# Altium PCB BMS029B.PcbDoc (part 3 of 4)
Units mil, origin at the board's own origin, x right, y up, seen from the top; angles counter-clockwise.
Board outline 4950 x 4000 mil, 4 copper layers (Layer 1 - Top Layer, Layer 2 - GND, Layer 3 - Signal, Layer 4 - Bottom Layer), stack 61.4 mil thick; 370 components, 202 nets, 969 pads, 408 vias.
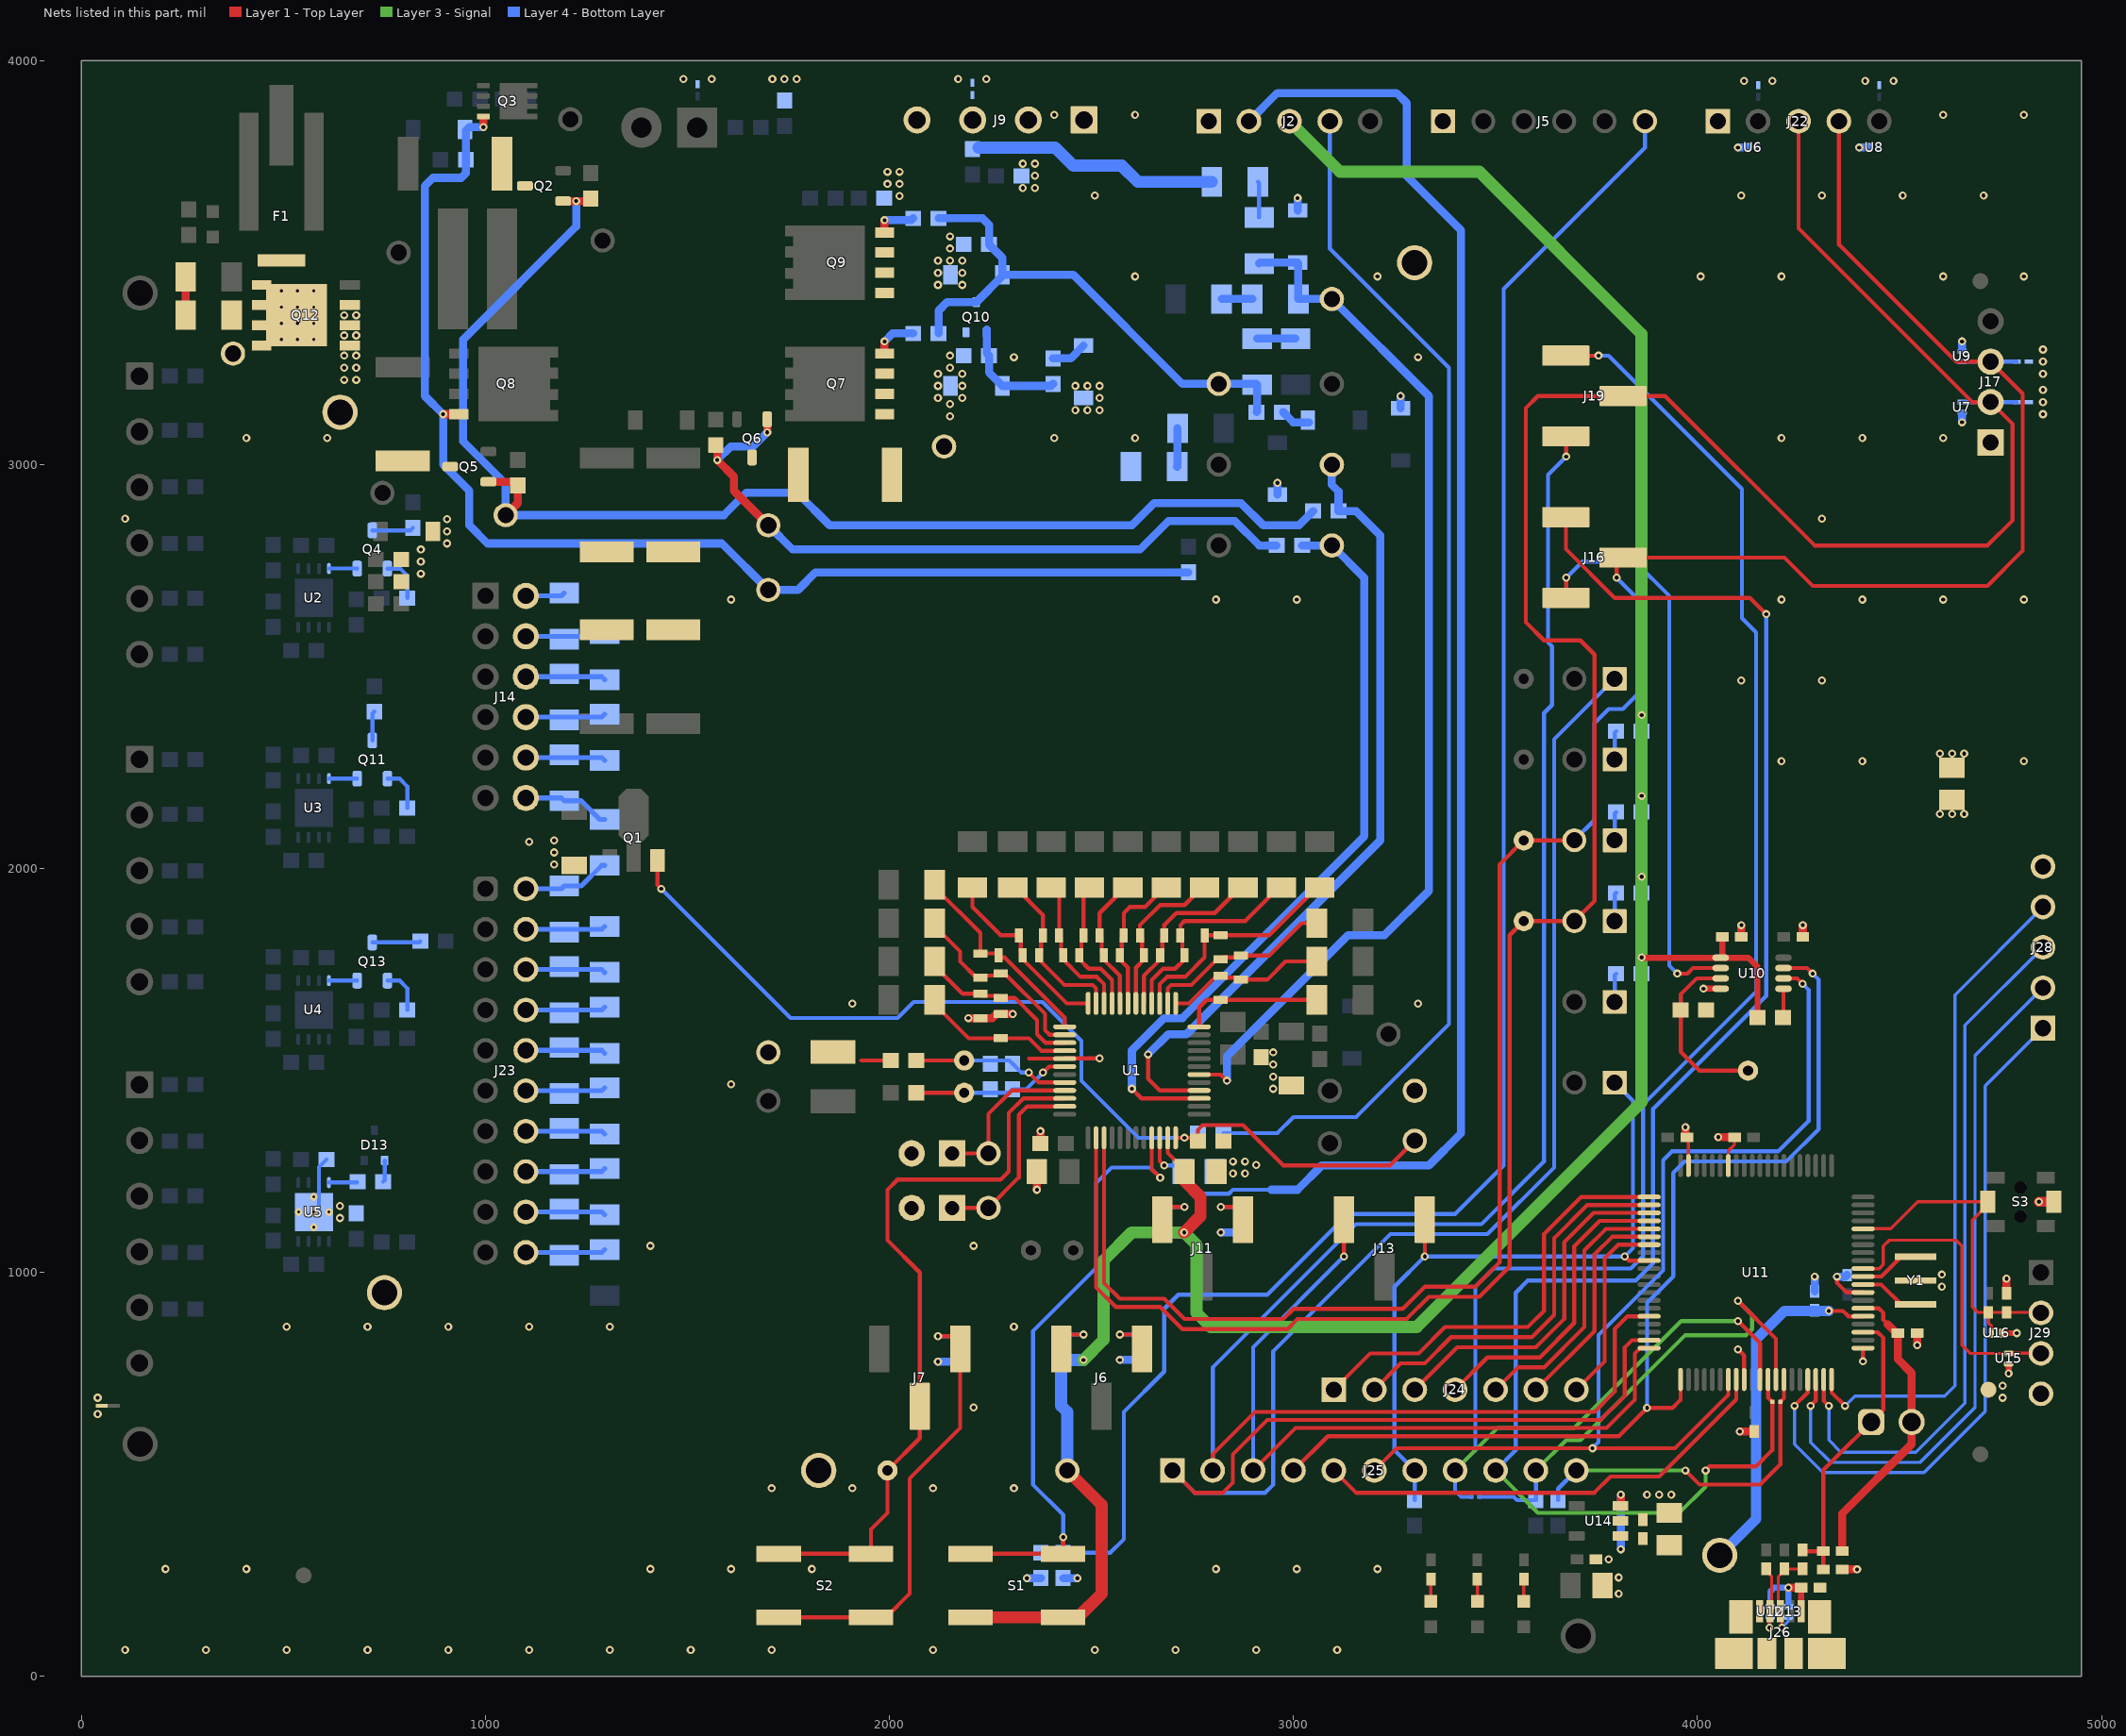
[diagram p5: the nets of this part, all layers, seen from the top]

## Via types
v1: diameter 20, hole 10, Layer 1 - Top Layer to Layer 4 - Bottom Layer, tented both sides, 376 vias
v2: diameter 19.68, hole 7.87, Layer 1 - Top Layer to Layer 4 - Bottom Layer, tented both sides, 32 vias

## Nets (pads, with @x,y where several pads share a name; then routed paths per layer and width w, separated by ;. In a path a pad name is that pad's centre, name@x,y a point inside that pad or via, vN(x,y) a via of type N, cw(c..) or ccw(c..) an arc to the next point about the centre after c; other vN are vias at no path point) (continued)
NetD4_1: D4.1 Q3.4 Q8.4 R50.2 R61.2 TP25.1 | length 3077.7
  Layer 1 - Top Layer w20: v1(895,3125) Q8.4@933.78,3125 ; v1(994.47,3835.53) Q3.4@994.47,3858
  Layer 4 - Bottom Layer w20: v1(994.47,3835.53) 960,3835.53 951.5,3827.03 R50.2@951.5,3755 951.5,3721.5 940,3710 870,3710 850,3690 850,3170 v1(895,3125) 895,3000.35 960,2935.35 960,2850 1005,2805 1585,2805 TP25.1@1700,2690 1773.5,2690 1817.01,2733.5 R61.2@2740,2733.5
NetD5_1: D5.1 Q10.3 R51.2 R55.2 R56.2 R64.2 R65.2 TP28.1 | length 1333.7
  Layer 4 - Bottom Layer w20: R55.2@2121.5,3325 2121.5,3381.5 2142.4,3402.4 Q10.3@2215,3402.4 2279.47,3466.87 D5.1@2279.47,3470 ; R56.2@2121.5,3610 2230,3610 2246.5,3593.5 R51.2@2246.5,3545 2279.47,3512.03 D5.1@2279.47,3470 ; R65.2@2908.5,3130 2910,3131.5 R64.2@2910,3197.91 2907.91,3200 TP28.1@2815,3200 2725,3200 2455,3470 D5.1@2279.47,3470
NetD6_1: D6.1 Q10.1 R52.2 R57.1 | length 283.7
  Layer 4 - Bottom Layer w20: Q10.1@2240.59,3335 2240.59,3275.91 R52.2@2246.5,3270 2246.5,3227.98 D6.1@2279.47,3195 2399.99,3195 R57.1@2405,3200.02
NetD7_1: D7.1 R57.2 | length 88
  Layer 4 - Bottom Layer w20: R57.2@2405,3263.01 2448.54,3263.01 D7.1@2480,3294.47
NetD9_2: D9.2 R65.1 | length 74.4
  Layer 4 - Bottom Layer w20: R65.1@2974.43,3130 2999.43,3105 D9.2@3038.46,3105
NetD13_1: D13.1 R82.2 | length 54.3
  Layer 4 - Bottom Layer w10: R82.2@746.5,1225 750.59,1229.09 D13.1@750.59,1277.6
NetD14_2: D14.2 R120.1 | length 54.9
  Layer 1 - Top Layer w8: D14.2@3340,186.5 R120.1@3340,241.38
NetD15_2: D15.2 R121.1 | length 54.9
  Layer 1 - Top Layer w8: D15.2@3455,186.5 R121.1@3455,241.38
NetD16_2: D16.2 R122.1 | length 54.9
  Layer 1 - Top Layer w8: D16.2@3570,186.5 R122.1@3570,241.38
NetF1_2: F1.2 Q12.5 Q12.6 Q12.7 Q12.8 Q12.9 R48.1 TP24.1
  other v2: 495,3310 535,3310 575,3310 495,3350 535,3350 575,3350 495,3390 535,3390 575,3390 495,3430 535,3430 575,3430
NetJ2_4: J2.4 R15.2 | length 3027.5
  Layer 4 - Bottom Layer w10: R15.2@2826.5,1345 2960,1345 3000,1385 3155,1385 3385,1615 3385,3240 3090,3535 J2.4@3090,3850
NetJ6_1: J6.1 R25.2 | length 112.1
  Layer 1 - Top Layer w10: J6.1@2425.01,841.51 2430,846.5 v1(2480,846.5)
  Layer 4 - Bottom Layer w10: R25.2@2425,846.5 v1(2480,846.5)
NetJ6_3: J6.3 R26.2 | length 112.1
  Layer 1 - Top Layer w10: v1(2570.01,846.5) 2620.01,846.5 J6.3@2625.01,841.51
  Layer 4 - Bottom Layer w10: v1(2570.01,846.5) R26.2@2625.01,846.5
NetJ7_3: J7.3 R29.2 S2.1 S2.2 | length 1128.2
  Layer 1 - Top Layer w10: S2.2@1725.83,146.26 S2.1@1954.17,146.26 1991.26,146.26 2050,205 2050,490 2175,615 J7.3@2175,820.87 ; v1(2120.01,842.37) 2170.01,842.37 J7.3@2175,837.37
  Layer 4 - Bottom Layer w10: v1(2120.01,842.37) R29.2@2175,842.37
NetJ11_1: J11.1 R89.2 | length 138.6
  Layer 1 - Top Layer w10: J11.1@2675,1130.87 2675,1157.37 2680,1162.37 v1(2730,1162.37)
  Layer 4 - Bottom Layer w10: R89.2@2675,1162.37 v1(2730,1162.37)
NetJ11_3: J11.3 R91.2 | length 112.1
  Layer 1 - Top Layer w10: v1(2820.01,1162.37) 2870.01,1162.37 J11.3@2875,1157.37
  Layer 4 - Bottom Layer w10: v1(2820.01,1162.37) R91.2@2875,1162.37
NetJ12_1: J12.1 R92.2 | length 71.5
  Layer 4 - Bottom Layer w10: J12.1@3795,2270 3795,2336.5 R92.2@3798.5,2340
NetJ14_2: J14.2 R87.2 | length 97.9
  Layer 4 - Bottom Layer w12: J14.2@1100,2675 1187.91,2675 R87.2@1195,2682.09
NetJ14_4: J14.4 R87.1 R88.2 | length 197.9
  Layer 4 - Bottom Layer w12: J14.4@1100,2575 1287.91,2575 R88.2@1295,2582.09
NetJ14_6: J14.6 R88.1 R90.2 | length 197.9
  Layer 4 - Bottom Layer w12: J14.6@1100,2475 1287.91,2475 R88.1@1295,2467.91
NetJ14_8: J14.8 R90.1 R93.2 | length 197.9
  Layer 4 - Bottom Layer w12: J14.8@1100,2375 1287.91,2375 R93.2@1295,2382.09
NetJ14_10: J14.10 R93.1 R95.2 | length 197.9
  Layer 4 - Bottom Layer w12: J14.10@1100,2275 1287.91,2275 R93.1@1295,2267.91
NetJ14_12: J14.12 R95.1 R96.2 | length 216.9
  Layer 4 - Bottom Layer w12: J14.12@1100,2175 1187.91,2175 R95.1@1195,2167.91 1237.09,2167.91 1282.91,2122.09 R96.2@1295,2122.09
NetJ15_1: J15.1 R94.2 | length 71.5
  Layer 4 - Bottom Layer w10: J15.1@3795,2070 3795,2136.5 R94.2@3798.5,2140
NetJ18_1: J18.1 R97.2 | length 71.5
  Layer 4 - Bottom Layer w10: J18.1@3795,1870 3795,1936.5 R97.2@3798.5,1940
NetJ20_1: J20.1 R99.2 | length 71.5
  Layer 4 - Bottom Layer w10: J20.1@3795,1670 3795,1736.5 R99.2@3798.5,1740
NetJ23_2: J23.2 R96.1 R98.2 | length 219
  Layer 4 - Bottom Layer w12: J23.2@1100,1950 1187.91,1950 R98.2@1195,1957.09 1237.09,1957.09 1287.91,2007.91 R96.1@1295,2007.91
NetJ23_4: J23.4 R98.1 R100.2 | length 197.9
  Layer 4 - Bottom Layer w12: J23.4@1100,1850 1287.91,1850 R100.2@1295,1857.09
NetJ23_6: J23.6 R100.1 R101.2 | length 197.9
  Layer 4 - Bottom Layer w12: J23.6@1100,1750 1287.91,1750 R100.1@1295,1742.91
NetJ23_8: J23.8 R101.1 R102.2 | length 197.9
  Layer 4 - Bottom Layer w12: J23.8@1100,1650 1287.91,1650 R102.2@1295,1657.09
NetJ23_10: J23.10 R102.1 R103.2 | length 197.9
  Layer 4 - Bottom Layer w12: J23.10@1100,1550 1287.91,1550 R102.1@1295,1542.91
NetJ23_12: J23.12 R103.1 R104.2 | length 197.9
  Layer 4 - Bottom Layer w12: J23.12@1100,1450 1287.91,1450 R104.2@1295,1457.09
NetJ23_14: J23.14 R104.1 R105.2 | length 197.9
  Layer 4 - Bottom Layer w12: J23.14@1100,1350 1287.91,1350 R104.1@1295,1342.91
NetJ23_16: J23.16 R105.1 R106.2 | length 197.9
  Layer 4 - Bottom Layer w12: J23.16@1100,1250 1287.91,1250 R106.2@1295,1257.09
NetJ23_18: J23.18 R106.1 R107.2 | length 197.9
  Layer 4 - Bottom Layer w12: J23.18@1100,1150 1287.91,1150 R106.1@1295,1142.91
NetJ23_20: J23.20 R107.1 R108.2 | length 197.9
  Layer 4 - Bottom Layer w12: J23.20@1100,1050 1287.91,1050 R108.2@1295,1057.09
NetJ24_1: J24.1 U11.21 | length 1089.1
  Layer 1 - Top Layer w10: J24.1@3100,710 3190,800 3310,800 3375,865 3580,865 3620,905 3620,1095 3712.01,1187.01 U11.21@3880.24,1187.01
NetJ24_2: J24.2 U11.22 | length 981
  Layer 1 - Top Layer w10: J24.2@3200,710 3265,775 3325,775 3390,840 3590,840 3645,895 3645,1085 3727.32,1167.32 U11.22@3880.24,1167.32
NetJ24_3: J24.3 U11.23 | length 872.8
  Layer 1 - Top Layer w10: J24.3@3300,710 3405,815 3600,815 3670,885 3670,1075 3742.64,1147.64 U11.23@3880.24,1147.64
NetJ24_4: J24.4 U11.24 | length 764.7
  Layer 1 - Top Layer w10: J24.4@3400,710 3480,790 3610,790 3695,875 3695,1065 3757.95,1127.95 U11.24@3880.24,1127.95
NetJ24_5: J24.5 U11.25 | length 656.5
  Layer 1 - Top Layer w10: J24.5@3500,710 3555,765 3620,765 3720,865 3720,1055 3773.27,1108.27 U11.25@3880.24,1108.27
NetJ24_6: J24.6 U11.26 | length 548.3
  Layer 1 - Top Layer w10: J24.6@3600,710 3745,855 3745,1045 3788.58,1088.58 U11.26@3880.24,1088.58
NetJ24_7: J24.7 U11.27 | length 478.3
  Layer 1 - Top Layer w10: J24.7@3700,710 3770,780 3770,1035 3803.9,1068.9 U11.27@3880.24,1068.9
NetJ26_2: J26.2 R114.1 U12.1 | length 180.7
  Layer 1 - Top Layer w7: R114.1@4170,266.38 4170,261 4184,247 4184,166.4 J26.2@4179.41,161.81 ; v1(4178,120.78) J26.2@4178,162
  Layer 4 - Bottom Layer w7: v1(4178,120.78) 4178,145.2 U12.1@4180,147.2
NetJ26_3: J26.3 R115.1 R116.2 U13.1 | length 232.1
  Layer 1 - Top Layer w7: J26.3@4205,161.81 4200,166.81 4200,247 4215,262 R115.1@4215,266.38 R116.2@4260,266.38 ; v1(4209,120.78) J26.3@4209,162
  Layer 4 - Bottom Layer w7: v1(4209,120.78) 4225,136.78 U13.1@4225,147.2
NetJ26_6: J26.6 J26.7 J26.8 J26.9 J26.10 J26.11 R117.2
NetJ28_1: J28.1 U11.57 | length 1745.5
  Layer 1 - Top Layer w10: v1(4239.96,670) 4272.95,702.99 U11.57@4272.95,735.24
  Layer 4 - Bottom Layer w8: v1(4239.96,670) 4239.96,575.04 4310,505 4560.71,505 4711.88,656.16 4711.88,1461.88 J28.1@4855,1605
NetJ28_2: J28.2 U11.58 | length 1752.8
  Layer 1 - Top Layer w10: v1(4279.96,670) 4292.64,682.68 U11.58@4292.64,735.24
  Layer 4 - Bottom Layer w8: v1(4279.96,670) 4279.96,580.04 4330,530 4550.36,530 4686.87,666.52 4686.87,1536.87 J28.2@4855,1705
NetJ28_3: J28.3 U11.59 | length 1763.4
  Layer 1 - Top Layer w10: U11.59@4312.32,735.24 4312.32,682.68 v1(4325,670)
  Layer 4 - Bottom Layer w8: v1(4325,670) 4325,585 4355,555 4540,555 4661.88,676.88 4661.88,1611.88 J28.3@4855,1805
NetJ28_4: J28.4 U11.60 | length 1646.8
  Layer 1 - Top Layer w10: U11.60@4332.01,735.24 4332.01,702.99 v1(4365,670)
  Layer 4 - Bottom Layer w8: v1(4365,670) 4389.34,694.34 4611.22,694.34 4636.88,720 4636.88,1686.88 J28.4@4855,1905
NetQ2_1: Q2.1 Q5.1 R35.2 R43.2 R62.2 TP26.1 | length 3281.6
  Layer 1 - Top Layer w20: Q5.1@1007.24,2957.6 1070.91,2957.6 R43.2@1080,2948.5 1080,2905 TP26.1@1050,2875 ; Q2.1@1192.24,3652.6 v1(1224.49,3652.6) R35.2@1260,3652.6
  Layer 4 - Bottom Layer w20: v1(1224.49,3652.6) 1224.49,3589.49 945,3310 945,3057.4 1050,2952.4 TP26.1@1050,2875 1590,2875 1645,2930 1772.09,2930 1852.09,2850 2600,2850 2655,2905 2870,2905 2925,2850 3013.5,2850 R62.2@3048.5,2885
NetQ2_3: Q2.3 R33.2
NetQ4_1: Q4.1 R38.2 | length 111.6
  Layer 4 - Bottom Layer w10: Q4.1@757.4,2742.76 788.97,2742.76 806.5,2725.23 R38.2@806.5,2670
NetQ4_2: Q4.2 U2.8 | length 69.6
  Layer 4 - Bottom Layer w10: U2.8@613,2742.83 682.52,2742.83 Q4.2@682.6,2742.76
NetQ4_3: Q4.3 R44.1 | length 102.6
  Layer 4 - Bottom Layer w10: Q4.3@720,2837.24 813.74,2837.24 R44.1@820,2843.5
NetQ5_3: Q5.3 R39.2
NetQ6_1: Q6.1 R42.2 R63.2 TP27.1 | length 1773.6
  Layer 1 - Top Layer w20: R42.2@1570,3048.5 1573.5,3045 v1(1573.5,3011.5) 1615,2970 1615,2935 TP27.1@1700,2850 ; v1(1697.4,3080) Q6.1@1697.4,3112.24
  Layer 4 - Bottom Layer w20: v1(1573.5,3011.5) 1607.01,3045 1662.4,3045 v1(1697.4,3080) ; TP27.1@1700,2850 1760,2790 2620,2790 2690,2860 2855,2860 2915,2800 R63.2@2958.01,2800
NetQ6_3: Q6.3 R40.1
NetQ7_4: Q7.4 R55.1 | length 109
  Layer 1 - Top Layer w20: Q7.4@1987.8,3275 v1(1987.8,3305)
  Layer 4 - Bottom Layer w20: v1(1987.8,3305) 2007.8,3325 R55.1@2058.5,3325
NetQ9_4: Q9.4 R56.1 | length 102.8
  Layer 1 - Top Layer w20: Q9.4@1987.8,3575 v1(1987.8,3605)
  Layer 4 - Bottom Layer w20: v1(1987.8,3605) 2053.5,3605 R56.1@2058.5,3610
NetQ11_1: Q11.1 R58.2 | length 110.6
  Layer 4 - Bottom Layer w10: Q11.1@757.4,2222.76 787.24,2222.76 806.5,2203.5 R58.2@806.5,2150
NetQ11_2: Q11.2 U3.8 | length 69.5
  Layer 4 - Bottom Layer w10: U3.8@613,2222.83 Q11.2@682.52,2222.83
NetQ11_3: Q11.3 R60.1 | length 73.3
  Layer 4 - Bottom Layer w10: Q11.3@720,2317.24 720,2383.5 R60.1@725,2388.5
NetQ13_1: Q13.1 R79.2 | length 110.6
  Layer 4 - Bottom Layer w10: Q13.1@757.4,1722.76 787.24,1722.76 806.5,1703.5 R79.2@806.5,1650
NetQ13_2: Q13.2 U4.8 | length 69.5
  Layer 4 - Bottom Layer w10: U4.8@613,1722.83 Q13.2@682.52,1722.83
NetQ13_3: Q13.3 R80.1 | length 119.6
  Layer 4 - Bottom Layer w10: Q13.3@720,1817.24 835.75,1817.24 R80.1@838.5,1820
NetR5_1: R5.1 R9.2
NetR6_1: R6.1 R10.2
NetR45_1: R45.1 R48.2 | length 95
  Layer 1 - Top Layer w20: R48.2@257.91,3370 R45.1@257.91,3465
NetR64_1: R64.1 R68.2 | length 95
  Layer 4 - Bottom Layer w20: R64.1@2910,3312.09 R68.2@3005,3312.09
NetR70_1: R70.1 R71.2 | length 75.8
  Layer 4 - Bottom Layer w20: R71.2@2822.09,3410 R70.1@2897.91,3410
NetR73_1: R73.1 R74.2 | length 89.1
  Layer 4 - Bottom Layer w10: R74.2@2912.09,3700 2915,3697.09 R73.1@2915,3612.09
NetR76_1: R76.1 R77.2 | length 95.3
  Layer 4 - Bottom Layer w20: R77.2@2712.09,2995 2712.91,2995.83 R76.1@2712.91,3090
NetR82_1: R82.1 U5.8 | length 69.5
  Layer 4 - Bottom Layer w10: U5.8@613,1222.83 R82.1@682.52,1222.83
NetR112_2: R112.2 TP42.1 U10.3 | length 442.9
  Layer 1 - Top Layer w10: U10.3@4057.24,1728.2 3998.2,1728.2 3958.5,1688.5 3958.5,1546.5 4005,1500 TP42.1@4125,1500
NetR113_2: R113.2 U10.5 | length 72.1
  Layer 1 - Top Layer w10: R113.2@4211.5,1631 4212.76,1632.26 U10.5@4212.76,1702.61
NetRT1_1: RT1.1 TP7.1 U1.21 | length 400.5
  Layer 1 - Top Layer w10: RT1.1@2155,1295 TP7.1@2245,1295 2245,1392.75 2303.04,1450.79 U1.21@2433.66,1450.79
NetRT2_1: RT2.1 TP8.1 U1.23 | length 473.6
  Layer 1 - Top Layer w10: RT2.1@2155,1160 TP8.1@2245,1160 2320,1235 2320,1390 2341.42,1411.42 U1.23@2433.66,1411.42
NetU11_69: U11.69 Y1.1 | length 135.8
  Layer 1 - Top Layer w10: U11.69@4409.76,970.47 4454.53,970.47 4504.06,920.94 Y1.1@4525,920.94
NetU11_70: U11.70 Y1.3 | length 135.5
  Layer 1 - Top Layer w10: U11.70@4409.76,990.16 4455.16,990.16 4504.06,1039.06 Y1.3@4525,1039.06
P4_2: J25.6 U10.6 U11.47 | length 2576.4
  Layer 1 - Top Layer w10: J25.6@3200,510 3255,565 v1(3740,565) 3943.93,565 4076.1,697.18 U11.47@4076.1,735.24 ; U10.6@4212.76,1728.2 4246.8,1728.2 v1(4260,1715)
  Layer 4 - Bottom Layer w10: v1(3740,565) 3755,580 3755,845.24 3915,1005.24 3915,1278.15 3936.85,1300 4200,1300 4275,1375 4275,1700 v1(4260,1715)
P4_3: J25.5 U11.48 | length 1163.6
  Layer 1 - Top Layer w10: J25.5@3100,510 3155,455 3744.72,455 3784.72,495 3905,495 4095.79,685.79 U11.48@4095.79,735.24
PACK: D11.1 R70.2 R73.2 TP33.1 U1.42 | length 2639.6
  Layer 1 - Top Layer w10: U1.42@2766.34,1490.16 2819.84,1490.16 v1(2835,1475)
  Layer 4 - Bottom Layer w20: v1(2835,1475) 2835,1535 3135,1835 3225,1835 3335,1945 3335,3170 TP33.1@3095,3410 R70.2@3012.09,3410 3012.09,3498.44 D11.1@3010,3500.53 2917.62,3500.53 R73.2@2915,3497.91
PACK+: C38.1 C42.1 D5.2 D6.2 E2.1 J9.3 J9.4 Q7.1 Q7.2 Q7.3 Q9.1 Q9.2 Q9.3 Q10.2 R40.2 R51.1 R52.1 R74.1 R77.1 TP22.1 | length 613.1
  Layer 4 - Bottom Layer w30: C42.1@2220.02,3785 2410,3785 2455,3740 2575,3740 2615,3700 R74.1@2797.91,3700
  other v1: 2150,3120 2150,3150 2120,3165 2180,3165 2120,3195 2180,3195 2120,3225 2180,3225 2150,3240 2150,3270 2120,3445 2180,3445 2120,3475 2180,3475 2120,3505 2150,3505 2180,3505 2150,3535 2150,3565 2025,3665 1995,3695 2025,3695 1995,3725 2025,3725
PCHG: R62.1 TP31.1 U1.40 | length 1998.2
  Layer 1 - Top Layer w10: v1(2640,1540) 2640,1480 2669.21,1450.79 U1.40@2766.34,1450.79
  Layer 4 - Bottom Layer w20: v1(2640,1540) 2690,1590 2735,1590 3215,2070 3215,2825 3155,2885 R62.1@3111.5,2885 3111.5,2933.5 3095,2950 TP31.1@3095,3000
PDSG: R63.1 TP32.1 U1.39 | length 1892.4
  Layer 1 - Top Layer w10: v1(2600,1455) 2623.9,1431.1 U1.39@2766.34,1431.1
  Layer 4 - Bottom Layer w20: v1(2600,1455) 2600,1550 2680,1630 2725,1630 3175,2080 3175,2720 TP32.1@3095,2800 R63.1@3021.5,2800
PGND: C36.2 C45.2 D7.2 E1.2 E2.2 E3.2 E4.2 E5.2 E6.2 J9.1 J9.2 J17.1 J22.1 NT5.2 R28.1 R30.1 TP36.1 U6.2 U7.2 U8.2 U9.2 | length 153.5
  Layer 1 - Top Layer w10: 1930,1525 R28.1@2003.5,1525
  Layer 4 - Bottom Layer w20: v1(4100,3785) U6.2@4120,3785 ; v1(4400,3785) U8.2@4420,3785 ; v1(4655,3105) U7.2@4655,3125 ; U9.2@4655,3285 v1(4655,3305)
  other v1: 1908,1666 4808,2266 4600,2285 4630,2285 4660,2285 4608,2666 4808,2666 2408,3066 2608,3066 4608,3066 4855,3125 2460,3135 2490,3135 2520,3135 4855,3155 2520,3165 4855,3185 2460,3195 2490,3195 2520,3195 4855,3225 4855,3255 2308,3266 4855,3285 2608,3466 4008,3466 4208,3466 4608,3466 4808,3466 2508,3666 4108,3666 4308,3666 4508,3666 4708,3666 2330,3685 2360,3685 2360,3715 2330,3745 2360,3745 2408,3866 2608,3866 4608,3866 4808,3866 4115,3950 4185,3950 4415,3950 4485,3950 1490,3955 1560,3955 1710,3955 1740,3955 1770,3955 2170,3955 2240,3955
PUR: J27.1 R116.1 R118.2 R119.1 U11.63 | length 738.6
  Layer 1 - Top Layer w10: R116.1@4263.62,310 R119.1@4311.38,310 ; R118.2@4311.38,265 R119.1@4311.38,310 ; U11.63@4409.76,852.36 4445.79,852.36 4460,838.15 4460,660 4311.38,511.38 R119.1@4311.38,310
QGND: C58.1 C59.1 C60.2 C61.2 C62.2 C63.2 C64.2 C65.2 C66.2 C67.2 C68.2 C69.2 C70.2 J26.5 J28.5 J29.4 NT5.1 R112.1 R117.1 R118.1 S3.1 TP45.1 U10.4 U11.14 U11.19 U11.49 U11.61 U11.68 U12.2 U13.2 U14.2 U15.2 U16.2 Y1.2 | length 1025.6
  Layer 1 - Top Layer w8: C61.2@3973.62,1335 3977.68,1330.94 U11.19@3977.68,1264.76 ; U11.14@4076.1,1264.76 4076.1,1301.1 4091.38,1316.38 C69.2@4091.38,1335
  Layer 1 - Top Layer w10: v1(4100,810) 4115.47,794.53 U11.49@4115.47,735.24 ; v1(4345,990) 4345,975 4369.21,950.79 U11.68@4409.76,950.79 ; v1(4409.76,780) U11.61@4409.76,812.99
  Layer 1 - Top Layer w15: v1(4015,1702.61) U10.4@4057.24,1702.61 ; J26.5@4256.18,161.81 4256.18,219.8 R117.1@4256.38,220 ; U16.2@4759.69,850 v1(4790,850) ; v1(4770,750) U15.2@4770,770
  Layer 1 - Top Layer w20: v1(3970,1360) 3970,1338.62 C61.2@3973.62,1335 ; v1(4051.38,1335) C69.2@4091.38,1335 ; v1(4105,606.38) C68.2@4140,606.38 ; C58.1@4108.62,1831 v1(4108.62,1860) ; v1(4225,220) R117.1@4256.38,220 ; C59.1@4260.62,1831 v1(4260.62,1860) ; R118.1@4358.62,265 v1(4395,265) ; v1(4543.62,820) C60.2@4543.62,850 ; C70.2@4765,948.62 v1(4765,985)
  Layer 1 - Top Layer w25: v1(4845,1175) S3.1@4881.69,1175
  Layer 4 - Bottom Layer w15: U12.2@4180,175 4180,210 4190,220 v1(4225,220) U13.2@4225,175
  Layer 4 - Bottom Layer w20: C66.2@4290,953.62 v1(4290,990) ; v1(4345,990) 4366.38,990 C67.2@4370,993.62
  other v1: 2708,66 2908,66 3108,66 3805,205 3805,245 2808,266 3008,266 3208,266 3780,290 3875,450 3905,450 3935,450 4755,690 4755,720 4605,965 4605,995 4600,2135 4630,2135 4660,2135 4208,2266 4408,2266 4108,2466 4308,2466 4208,2666 4408,2666 4308,2866 4208,3066 4408,3066
REG1: C12.2 C58.2 J2.3 R25.1 R89.1 R92.1 R94.1 R97.1 R99.1 R113.1 S1.3 S1.4 TP6.1 U1.35 U10.1 | length 7043.7
  Layer 1 - Top Layer w10: U1.35@2688.58,1333.66 2688.58,1296.42 2730.55,1254.45 C12.2@2730.55,1226.45 ; v1(3861.5,1780) v1@3862.11,1779.39 ; U10.1@4057.24,1779.39 U10.1@4061.38,1783.52
  Layer 1 - Top Layer w15: v1@3862.11,1779.39 U10.1@4057.24,1779.39 4125.61,1779.39 4148.5,1756.5 R113.1@4148.5,1631 ; U10.1@4061.38,1783.52 C58.2@4061.38,1831
  Layer 1 - Top Layer w30: S1.3@2200.83,146.26 S1.4@2429.17,146.26 2466.26,146.26 2525,205 2525,425 TP6.1@2440,510 ; v1(2729.37,1099.37) 2770,1140 2770,1187 C12.2@2730.55,1226.45
  Layer 3 - Signal w30: v1(2480,783.51) 2530,833.51 2530,1030 2599.37,1099.37 v1(2729.37,1099.37) 2760,1068.75 2760,900 2795,865 3305,865 3861.5,1421.5 v1(3861.5,1780) v1(3861.5,1980) v1(3861.5,2180) v1(3861.5,2380) 3861.5,3323.5 3460,3725 3115,3725 J2.3@2990,3850
  Layer 4 - Bottom Layer w30: TP6.1@2440,510 2440,655 2425.01,669.99 R25.1@2425,783.5 v1(2480,783.51) ; R89.1@2675,1099.37 v1(2729.37,1099.37) ; R99.1@3861.5,1740 v1(3861.5,1780) ; R97.1@3861.5,1940 v1(3861.5,1980) ; R94.1@3861.5,2140 v1(3861.5,2180) ; R92.1@3861.5,2340 v1(3861.5,2380)
REG2: C15.2 J2.2 U1.34 | length 3946.4
  Layer 1 - Top Layer w10: U1.34@2668.9,1333.66 2668.9,1276.1 v1(2680,1265)
  Layer 4 - Bottom Layer w10: v1(2680,1265) 2720,1265 2720,1245 2770,1195 2840,1195 2850,1205 2945,1205
  Layer 4 - Bottom Layer w20: J2.2@2890,3850 2960,3920 3255,3920 3280,3895 3280,3715 3415,3580 3415,1345 3335,1265 3070,1265 3010,1205 2945,1205
REGIN: C13.2 Q1.3 R15.1 TP5.1 U1.36 | length 2455.6
  Layer 1 - Top Layer w10: Q1.3@1430.51,2025 Q1.3@1425.71,2020.2 1425.71,1959.29 v1(1435,1950) ; U1.36@2708.27,1333.66 v1(2730,1333.66) 2754.84,1333.66 C13.2@2763.5,1325 2763.5,1353.5 2775,1365 2875,1365 2975,1265 3238.74,1265 TP5.1@3300,1326.26
  Layer 4 - Bottom Layer w10: v1(1435,1950) 1755,1630 2020,1630 2060,1670 2378.66,1670 2475,1573.66 2475,1475 2616.34,1333.66 v1(2730,1333.66) 2752.17,1333.66 R15.1@2763.5,1345
RST: C70.1 J29.2 R123.1 S3.2 U11.76 U16.1 | length 840.7
  Layer 1 - Top Layer w8: U11.76@4409.76,1108.27 4478.27,1108.27 4545,1175 S3.2@4718.31,1175 4718.31,1168.31 4680,1130 4680,915 4693.62,901.38 R123.1@4720,901.38 ; U16.1@4727.2,850 4727.2,868.11 4720.31,875 4720.31,901.06 R123.1@4720,901.38 ; J29.2@4848.62,901.38 R123.1@4720,901.38
RST_SHUT: C20.1 J5.6 R20.1 S1.1 S1.2 U1.33 | length 6120.2
  Layer 1 - Top Layer w10: S1.1@2200.83,303.74 S1.2@2429.17,303.74 2430,304.57 v1(2430,345) ; U1.33@2649.21,1333.66 2649.21,1255.79 v1(2670,1235)
  Layer 4 - Bottom Layer w10: R20.1@2375,306.5 C20.1@2430,306.5 ; v1(2670,1235) 2645,1260 2550,1260 2511.42,1221.42 2511.42,1011.42 2355,855 2355,475 2430,400 C20.1@2430,306.5 ; J5.6@3870,3850 3870,3785 3520,3435 3520,1265 3400,1145 3135,1145 2935,945 2715,945 2680,910 2680,755 2580,655 2580,340 2546.5,306.5 C20.1@2430,306.5
SCL: E4.1 J17.2 J18.2 J19.2 J22.3 TP40.1 U1.26 U7.1 | length 6674.7
  Layer 1 - Top Layer w10: U1.26@2511.42,1333.66 2511.42,963.58 2560,915 2670,915 2725,860 2985,860 3010,885 3280,885 3335,940 3460,940 3535,1015 3535,1835 TP40.1@3570,1870 J18.2@3695,1870 3745,1920 3745,2530 3710,2565 3620,2565 3575,2610 3575,3140 3605,3170 3920,3170 4290,2800 4717.91,2800 4780,2862.09 4780,3100.58 J17.2@4725.59,3155 4680,3155 4250,3585 J22.3@4250,3850
  Layer 4 - Bottom Layer w10: U7.1@4655,3155 J17.2@4725.59,3155 E4.1@4790,3155
SCL2: J19.3 J25.8 NT3.1 U11.51 | length 4641.8
  Layer 1 - Top Layer w10: J19.3@3674.13,3270 v1(3755,3270) ; v1(4100,880) 4154.84,825.16 U11.51@4154.84,735.24
  Layer 3 - Signal w10: J25.8@3400,510 3505,615 3695,615 3960,880 v1(4100,880)
  Layer 4 - Bottom Layer w10: NT3.1@3440,445 3415,445 3400,460 J25.8@3400,510 3450,560 3450,965 3495,1010 3835,1010 3865,1040 3865,1415.36 4145,1695.36 4145,2585 4110,2620 4110,2940 3780,3270 v1(3755,3270)
SDA: E6.1 J15.2 J16.2 J17.3 J22.4 TP39.1 U1.27 U9.1 | length 5956
  Layer 1 - Top Layer w10: U1.27@2531.1,1333.66 2531.1,973.9 2570,935 2680,935 2730,885 2975,885 3000,910 3270,910 3325,965 3450,965 3510,1025 3510,2010 TP39.1@3570,2070 J15.2@3695,2070 ; J16.2@3795,2770 4215,2770 4285,2700 4717.91,2700 4805,2787.09 4805,3175.58 J17.3@4725.59,3255 4640,3255 4350,3545 J22.4@4350,3850 ; v1(3800,2720) 3800,2754.13 J16.2@3815.87,2770
  Layer 4 - Bottom Layer w10: J15.2@3695,2070 3745,2120 3745,2360 3780,2395 3815,2395 3855,2435 3855,2665 v1(3800,2720) ; U9.1@4655,3255 J17.3@4725.59,3255 E6.1@4790,3255
SDA2: J16.3 J25.9 NT4.1 U11.52 | length 4191.5
  Layer 1 - Top Layer w10: J16.3@3674.13,2870 3674.13,2790.87 3795,2670 4130,2670 v1(4170,2630) ; v1(4020,510) 4030,520 4145,520 4185,560 NT4.1@4185,680 4174.53,690.47 U11.52@4174.53,735.24
  Layer 3 - Signal w10: J25.9@3500,510 3605,405 3955,405 4020,470 v1(4020,510)
  Layer 4 - Bottom Layer w10: J25.9@3500,510 3550,560 3550,950 3580,980 3847.43,980 3890,1022.57 3890,1405 4170,1685 v1(4170,2630)
SMBC1: J25.10 NT3.2 R110.2 U11.53 | length 1215.3
  Layer 1 - Top Layer w10: v1(4100,930) 4194.21,835.79 U11.53@4194.21,735.24
  Layer 3 - Signal w10: J25.10@3600,510 3675,585 3710,585 3970,845 4120,845 4135,860 4135,895 v1(4100,930)
  Layer 4 - Bottom Layer w10: NT3.2@3460,445 3545,445 3553.5,436.5 R110.2@3600,436.5 J25.10@3600,510
SMBD1: J25.11 NT4.2 R109.2 U11.54 | length 846.3
  Layer 1 - Top Layer w10: v1(3970,510) 4005,475 4155,475 4205,525 NT4.2@4205,680 4213.9,688.9 U11.54@4213.9,735.24
  Layer 3 - Signal w10: J25.11@3700,510 v1(3970,510)
  Layer 4 - Bottom Layer w10: R109.2@3655,436.5 3655,465 J25.11@3700,510
SRN: C27.1 C28.2 R28.2 TP13.1 U1.20 | length 389.8
  Layer 1 - Top Layer w10: R28.2@2066.5,1525 TP13.1@2185,1525 ; v1(2345,1495) 2369.53,1470.47 U1.20@2433.66,1470.47
  Layer 4 - Bottom Layer w10: TP13.1@2185,1525 2296.5,1525 C27.1@2305,1516.5 2326.5,1495 v1(2345,1495)
SRP: C27.2 C28.1 R27.2 TP12.1 U1.18 | length 394
  Layer 1 - Top Layer w10: R27.2@2066.5,1445 TP12.1@2185,1445 ; v1(2380,1495) 2394.84,1509.84 U1.18@2433.66,1509.84
  Layer 4 - Bottom Layer w10: TP12.1@2185,1445 2296.5,1445 C27.2@2305,1453.5 2338.5,1453.5 v1(2380,1495)
TEST: J29.3 U11.71 U15.1 | length 755
  Layer 1 - Top Layer w8: U11.71@4409.76,1009.84 4449.84,1009.84 4460,1020 4460,1065 4475,1080 4640,1080 4655,1065 4655,820 4675.31,799.69 U15.1@4775,799.69 ; U15.1@4775.31,800 J29.3@4850,800
TS2: J7.2 S2.3 S2.4 TP11.1 U1.22 | length 1830.1
  Layer 1 - Top Layer w10: S2.4@1725.83,303.74 S2.3@1954.17,303.74 1954.17,364.17 1995,405 TP11.1@1995,510 2075,590 J7.2@2075,669.14 2075,1000 1995,1080 1995,1205 2020,1230 2275,1230 2295,1250 2295,1395 2331.1,1431.1 U1.22@2433.66,1431.1
uC_HDQ: J13.3 J21.1 J25.7 R111.2 U11.29 | length 1762.6
  Layer 1 - Top Layer w10: v1(3325,1040) J13.3@3325,1130.87 ; v1(3820,1040) 3830.47,1029.53 U11.29@3880.24,1029.53
  Layer 4 - Bottom Layer w10: R111.2@3300,436.5 J25.7@3300,510 3250,560 3250,965 v1(3325,1040) v1(3820,1040) 3840,1060 3840,1425 J21.1@3795,1470
uC_SPI_CLK: J19.1 J25.2 U11.36 | length 4465.3
  Layer 1 - Top Layer w10: J25.2@2800,510 2800,550 2905,655 3745,655 3795,705 3795,860 3826.73,891.73 U11.36@3880.24,891.73 ; J19.1@3674.13,3070 3675,3069.13 v1(3675,3020)
  Layer 4 - Bottom Layer w10: J25.2@2800,510 2800,765 3155,1120 3465,1120 3620,1275 3620,2385 3640,2405 3640,2550 3630,2560 3630,2975 v1(3675,3020)
uC_SPI_CS: J10.1 J25.1 U11.39 | length 4237.6
  Layer 1 - Top Layer w10: J25.1@2700,510 2755,455 2825,455 2850,480 2850,550 2935,635 3760,635 3820,695 3820,815 3837.68,832.68 U11.39@3880.24,832.68
  Layer 4 - Bottom Layer w10: J25.1@2700,510 2755,455 2930,455 2950,475 2950,805.28 3239.72,1095 3480,1095 3645,1260 3645,2320 J10.1@3795,2470
uC_SPI_MISO_A: J16.1 U10.2 | length 1413.4
  Layer 1 - Top Layer w10: J16.1@3674.13,2670 3675,2670.87 v1(3675,2720) ; v1(3950,1740) 3975,1740 3988.8,1753.8 U10.2@4057.24,1753.8
  Layer 4 - Bottom Layer w10: v1(3675,2720) 3715,2760 3845,2760 3930,2675 3930,1760 v1(3950,1740)
uC_SPI_MISO_B: J25.4 U10.7 U11.41 | length 2563.4
  Layer 1 - Top Layer w10: J25.4@3000,510 3085,595 3805,595 v1(3875,665) 3937.99,665 3957.99,685 U11.41@3957.99,735.24 ; U10.7@4212.76,1753.8 4271.2,1753.8 v1(4285,1740)
  Layer 4 - Bottom Layer w10: v1(3875,665) 3875,925.47 3940,990.47 3940,1246.77 3968.23,1275 4220,1275 4300,1355 4300,1725 v1(4285,1740)
uC_SPI_MOSI: J13.1 J25.3 U11.40 | length 1887.2
  Layer 1 - Top Layer w10: J25.3@2900,510 3005,615 3775,615 3845,685 3845,800 3857.99,812.99 U11.40@3880.24,812.99 ; v1(3125,1040) J13.1@3125,1130.87
  Layer 4 - Bottom Layer w10: J25.3@2900,510 2900,815 v1(3125,1040)
VBUS: C62.1 C63.1 C66.1 J26.1 TP43.1 U11.65 U14.1 U14.3 | length 1034.5
  Layer 1 - Top Layer w10: v1(4325,905) 4360,905 4373.27,891.73 U11.65@4409.76,891.73
  Layer 1 - Top Layer w20: U14.3@3809.13,422.4 3810,423.27 v1(3810,450)
  Layer 4 - Bottom Layer w20: v1(3810,315) v1(3810,450)
  Layer 4 - Bottom Layer w25: TP43.1@4055,300 4145,390 4145,835 4215,905 v1(4325,905)
VC0: C23.1 R24.2 U1.16 | length 380
  Layer 1 - Top Layer w10: R24.2@2112.09,1675 2112.09,1664.17 2196.26,1580 C23.1@2275,1580 2345,1580 2375.79,1549.21 U1.16@2433.66,1549.21
VC1: C22.2 C24.1 R23.2 U1.15 | length 424.6
  Layer 1 - Top Layer w10: R23.2@2112.09,1770 2112.09,1759.17 2181.26,1690 C24.1@2225,1690 2230,1685 C22.2@2270,1685 ; C22.2@2275,1680 2310,1680 2365,1625 2365,1590 2386.1,1568.9 U1.15@2433.66,1568.9
VC2: C21.2 C22.1 R22.2 U1.14 | length 479.7
  Layer 1 - Top Layer w10: R22.2@2112.09,1865 2112.09,1857.91 2175,1795 2175,1770 2215,1730 C21.2@2225,1730 2230,1735 C22.1@2270,1735 ; C22.1@2275,1740 2285.31,1740 2385,1640.31 2385,1600 2396.42,1588.58 U1.14@2433.66,1588.58
VC3: C19.2 C21.1 R21.2 U1.13 | length 514.2
  Layer 1 - Top Layer w10: R21.2@2112.09,1960 2112.09,1953.91 2225,1841 C21.1@2225,1790 2265,1790 C19.2@2270,1785 2275,1780 2285,1780 2433.66,1631.34 U1.13@2433.66,1608.27
VC4: C18.2 C19.1 R19.2 U1.12 | length 455.7
  Layer 1 - Top Layer w10: R19.2@2205,1952.91 2205,1905 2275,1835 C18.2@2320,1835 2325,1830 C19.1@2325,1790 ; C19.1@2330,1785 2330,1775 2438.66,1666.34 U1.12@2491.73,1666.34
VC5: C17.2 C18.1 R18.2 U1.11 | length 418.4
  Layer 1 - Top Layer w10: R18.2@2305,1952.91 2312.09,1952.91 2380,1885 C18.1@2380,1835 2375,1830 C17.2@2375,1790 ; C17.2@2370,1785 2370,1775 2433,1712 2503,1712 2511.42,1703.58 U1.11@2511.42,1666.34
VC6: C16.2 C17.1 R17.2 U1.10 | length 357.2
  Layer 1 - Top Layer w10: R17.2@2400,1952.91 2420,1932.91 C16.2@2420,1835 2425,1830 C17.1@2425,1790 ; C17.1@2430,1785 2430,1775 2473,1732 2513,1732 2531.1,1713.9 U1.10@2531.1,1666.34
VC7: C14.2 C16.1 R16.2 U1.9 | length 340.9
  Layer 1 - Top Layer w10: C14.2@2470,1785 2470,1775 2493,1752 2523,1752 2550.79,1724.21 U1.9@2550.79,1666.34 ; C14.2@2475,1790 2475,1830 C16.1@2480,1835 2480,1937.91 R16.2@2495,1952.91
VC8: C11.2 C14.1 R14.2 U1.8 | length 333.6
  Layer 1 - Top Layer w10: C14.1@2525,1790 2525,1830 C11.2@2520,1835 2520,1890 2582.91,1952.91 R14.2@2590,1952.91 ; C14.1@2530,1785 2530,1775 2570.47,1734.53 U1.8@2570.47,1666.34
VC9: C10.2 C11.1 R13.2 U1.7 | length 360.1
  Layer 1 - Top Layer w10: C10.2@2570,1785 2570,1775 2590.16,1754.84 U1.7@2590.16,1666.34 ; C10.2@2575,1790 2575,1830 C11.1@2580,1835 2580,1890 2595,1905 2632.52,1905 2680.43,1952.91 R13.2@2685,1952.91
VC10: C9.2 C10.1 R12.2 U1.6 | length 397.6
  Layer 1 - Top Layer w10: U1.6@2609.84,1666.34 2609.84,1754.53 2630,1774.69 C10.1@2630,1785 ; C10.1@2625,1790 2625,1830 C9.2@2620,1835 2620,1860 2670,1910 2730,1910 2772.91,1952.91 R12.2@2780,1952.91
VC11: C8.2 C9.1 R11.2 U1.5 | length 441
  Layer 1 - Top Layer w10: U1.5@2629.53,1666.34 2629.53,1734.53 2670,1775 C8.2@2670,1785 ; C8.2@2675,1790 2675,1830 C9.1@2680,1835 2680,1860 2710,1890 2805,1890 2867.91,1952.91 R11.2@2875,1952.91
VC12: C7.2 C8.1 R8.2 U1.4 | length 530.3
  Layer 1 - Top Layer w10: U1.4@2649.21,1666.34 2649.21,1724.21 2677,1752 2707,1752 2730,1775 C8.1@2730,1785 ; C8.1@2725,1790 2725,1830 C7.2@2720,1835 2720,1860 2730,1870 2880,1870 2962.91,1952.91 R8.2@2970,1952.91
VC13: C6.2 C7.1 R7.2 U1.3 | length 574.9
  Layer 1 - Top Layer w10: U1.3@2668.9,1666.34 2668.9,1713.9 2687,1732 2732,1732 2780,1780 C7.1@2780,1835 C6.2@2820,1835 2940,1835 3057.91,1952.91 R7.2@3065,1952.91
VC14: C5.2 C6.1 R4.2 U1.2 | length 466.4
  Layer 1 - Top Layer w10: U1.2@2688.58,1666.34 2688.58,1703.58 2697,1712 2747,1712 2810,1775 C6.1@2820,1775 ; C6.1@2825,1780 2865,1780 C5.2@2870,1785 2940,1785 3020,1865 R4.2@3057.91,1865
VC15: C4.2 C5.1 R3.2 U1.1 | length 393.8
  Layer 1 - Top Layer w10: U1.1@2708.27,1666.34 2741.34,1666.34 2810,1735 C4.2@2820,1735 ; C4.2@2825,1730 2865,1730 C5.1@2870,1725 2935,1725 2980,1770 R3.2@3057.91,1770
VC16: C4.1 R2.2 U1.48 | length 347.4
  Layer 1 - Top Layer w10: U1.48@2766.34,1608.27 2766.34,1656.34 2785,1675 C4.1@2820,1675 R2.2@3057.91,1675
VSS: C1.2 C2.2 C12.1 C13.1 C15.1 C20.2 C23.2 C24.2 C25.1 C26.2 C47.1 C54.1 C57.1 C71.2 D8.2 D10.2 D11.2 D12.2 J2.1 J5.1 NT1.1 Q12.1 Q12.2 Q12.3 R20.2 R26.1 R29.1 R66.1 R91.1 RT1.2 RT2.2 TP14.1 TP15.1 TP16.1 TP17.1 TP18.1 U1.17 U5.7 U5.9 | length 832.5
  Layer 1 - Top Layer w10: 2345.47,1529.53 U1.17@2433.66,1529.53 2434.13,1530 v1(2520,1530)
  Layer 1 - Top Layer w20: v1(2195,1630) C24.2@2225,1630 2255,1630 2265,1640 C23.2@2275,1640 v1(2305,1640) ; v1(2365,1205) C25.1@2365,1250 ; C26.2@2373.5,1320 v1(2373.5,1350)
  Layer 4 - Bottom Layer w10: v2(575,1150) 587.8,1162.8 587.8,1187.4 587.8,1261.3 C57.1@606.5,1280
  Layer 4 - Bottom Layer w20: v1(2120,779.37) R29.1@2175,779.37 ; v1(2340,243.5) R20.2@2375,243.5 ; C20.2@2430,243.5 v1(2465,243.5) ; v1(2570,783.51) R26.1@2625.01,783.51 ; v1(2820,1099.37) R91.1@2875,1099.37 ; D12.2@2960,2925.53 v1(2960,2955) ; D11.2@3010,3629.47 v1(3010,3660) ; D10.2@3265,3139.47 v1(3265,3170)
  other v1: 108,66 308,66 508,66 708,66 908,66 1108,66 1308,66 1508,66 1708,66 2108,66 2508,66 208,266 408,266 1408,266 1608,266 1808,266 1708,466 1908,466 2108,466 2308,466 40,650 2208,666 40,690 508,866 708,866 908,866 1108,866 1308,866 2308,866 1408,1066 2208,1066 640,1135 640,1165 2850,1245 2880,1245 2908,1266 2850,1275 2880,1275 2950,1455 1608,1466 2950,1485 2950,1515 2950,1545 3308,1666 1170,2010 1170,2040 1108,2066 1170,2070 1608,2666 2808,2666 3008,2666 840,2730 840,2760 840,2790 905,2805 905,2835 905,2865 108,2866 408,3066 608,3066 650,3210 680,3210 650,3240 680,3240 3308,3266 650,3270 680,3270 650,3320 680,3320 650,3370 680,3370 3208,3466
  other v2: 575,1112.6 537.6,1150 612.4,1150 575,1187.4
VUSB: C60.1 J27.2 R119.2 U11.66 | length 747.3
  Layer 1 - Top Layer w10: U11.66@4409.76,911.42 4448.58,911.42 4460,900 4460,882.44 4470.79,871.65
  Layer 1 - Top Layer w20: R119.2@4358.62,310 4358.62,403.62 4530,575 J27.2@4530,630 4530,751.38 4496.38,785 C60.1@4496.38,850 4492.44,850 4470.79,871.65
pads on no net: D13.2 FID1.1 FID2.1 FID3.1 FID4.1 FID5.1 FID6.1 H1.0 H2.0 H3.0 H4.0 J17.4 J26.4 J29.1 S3.MH1 S3.MH2 S3.MP1 S3.MP2 S3.MP3 S3.MP4 SH-J1.0 SH-J2.0 SH-J3.0 SH-J4.0 SH-J5.0 SH-J6.0 SH-J7.0 SH-J8.0 SH-J9.0 SH-J10.0 SH-J11.0 SH-J12.0 SH-J13.0 SH-J14.0 SH-J15.0 SH-J16.0 SH-J17.0 SH-J18.0 SH-J19.0 SH-J20.0 SH-J21.0 U1.19 U1.44 U6.1S U6.2S U7.1S U7.2S U8.1S U8.2S U9.1S U9.2S U11.1 U11.2 U11.3 U11.4 U11.5 U11.6 U11.7 U11.8 U11.9 U11.10 U11.12 U11.13 U11.28 U11.30 U11.31 U11.32 U11.33 U11.34 U11.35 U11.37 U11.38 U11.42 U11.43 U11.44 U11.45 U11.46 U11.55 U11.56 U11.72 U11.73 U11.74 U11.75 U11.77 U11.78 U11.79 U11.80 U12.1S U12.2S U13.1S U13.2S U14.4 U15.1S U15.2S U16.1S U16.2S

## Polygon pours and split planes (outlines as drawn)
VSS on Layer 3 - Signal "Layer 3 - PWR - VSS" (solid, remove dead copper, pour order 10): 20,20 2610,20 2610,940 3570,940 3570,1410 3900,1410 3900,3805 3420,3805 3420,3885 3240,3885 3240,3800 2840,3800 2840,3885 2735,3885 2735,3805 2735,2785 2555,2605 1980,2030 1980,2000 1980,1660 1960,1640 1950,1630 1950,1575 1950,1470 1635,1470 1565,1540 1470,1635 1470,1735 1470,2195 2265,2990 2265,3180 2265,3890 1460,3890 1460,3975 1460,3980 20,3980
PGND on Layer 3 - Signal "Layer 3 - PWR - PGND" (solid, remove dead copper, pour order 12): 1850,1500 1650,1500 1615,1535 1500,1650 1500,1845 1500,2195 1745,2440 2285,2980 2285,3850 2285,3905 1480,3905 1480,3980 4930,3980 4930,2225 4500,2225 4500,3295 3920,3295 3920,3905 2705,3905 2705,2805 1920,2020 1920,1500
3.3V on Layer 3 - Signal "Layer 3 - PWR - 3.3V" (solid, remove dead copper, pour order 26): 3250,30 4920,30 4920,2100 3960,2100 3960,1420 4015,1365 4075,1365 4155.03,1284.97 4155.03,1195 4155.03,767.53 4052.5,665 4052.5,462.5 3955,365 3635,365 3250,365
VSS on Layer 2 - GND "Layer 2 - GND - VSS" (solid, remove dead copper, pour order 8): 20,20 2610,20 2610,940 3570,940 3570,1410 3900,1410 3900,3805 3420,3805 3420,3885 3240,3885 3240,3800 2840,3800 2840,3885 2735,3885 2735,3805 2735,2785 2555,2605 1980,2030 1980,2000 1980,1660 1960,1640 1950,1630 1950,1575 1950,1470 1635,1470 1565,1540 1470,1635 1470,1735 1470,2195 2265,2990 2265,3180 2265,3890 1460,3890 1460,3975 1460,3980 20,3980
QGND on Layer 2 - GND "Layer 2 - GND - QGND" (solid, remove dead copper, pour order 6): 4925,2195 4470,2195 4470,3265 3930,3265 3930,1380 3600,1380 3600,910 2630,910 2630,20 4930,20 4930,2195
PGND on Layer 2 - GND "Layer 2 - GND - PGND" (solid, remove dead copper, pour order 2): 1850,1500 1650,1500 1615,1535 1500,1650 1500,1845 1500,2195 1745,2440 2285,2980 2285,3850 2285,3905 1480,3905 1480,3980 4930,3980 4930,2225 4500,2225 4500,3295 3920,3295 3920,3905 2705,3905 2705,2805 1920,2020 1920,1500
VSS on Layer 1 - Top Layer "Layer 1 - Top Layer - VSS" (solid, remove dead copper, pour order 14): 20,20 2610,20 2610,940 3570,940 3570,1410 3900,1410 3900,3805 3420,3805 3420,3885 3240,3885 3240,3800 2840,3800 2840,3885 2735,3885 2735,3805 2735,2785 2555,2605 1980,2030 1980,2000 1980,1660 1960,1640 1950,1630 1950,1575 1950,1470 1635,1470 1565,1540 1470,1635 1470,1735 1470,2195 2265,2990 2265,3180 2265,3890 1460,3890 1460,3975 1460,3980 20,3980
QGND on Layer 1 - Top Layer "Layer 1 - Top Layer - QGND" (solid, remove dead copper, pour order 18): 4925,2195 4470,2195 4470,3265 3930,3265 3930,1380 3600,1380 3600,910 2630,910 2630,20 4930,20 4930,2195
PGND on Layer 1 - Top Layer "Layer 1 - Top Layer - PGND" (solid, remove dead copper, pour order 16): 1850,1500 1650,1500 1615,1535 1500,1650 1500,1845 1500,2195 1745,2440 2285,2980 2285,3850 2285,3905 1480,3905 1480,3980 4930,3980 4930,2225 4500,2225 4500,3295 3920,3295 3920,3905 2705,3905 2705,2805 1920,2020 1920,1500
VSS on Layer 4 - Bottom Layer "Layer 4 - Bottom Layer - VSS" (solid, remove dead copper, pour order 24): 20,20 2610,20 2610,940 3570,940 3570,1410 3900,1410 3900,3805 3420,3805 3420,3885 3240,3885 3240,3800 2840,3800 2840,3885 2735,3885 2735,3805 2735,2785 2555,2605 1980,2030 1980,2000 1980,1660 1960,1640 1950,1630 1950,1575 1950,1470 1635,1470 1565,1540 1470,1635 1470,1735 1470,2195 2265,2990 2265,3180 2265,3890 1460,3890 1460,3975 1460,3980 20,3980
PGND on Layer 4 - Bottom Layer "Layer 4 - Bottom Layer - PGND" (solid, remove dead copper, pour order 22): 1850,1500 1650,1500 1615,1535 1500,1650 1500,1845 1500,2195 1745,2440 2285,2980 2285,3850 2285,3905 1480,3905 1480,3980 4930,3980 4930,2225 4500,2225 4500,3295 3920,3295 3920,3905 2705,3905 2705,2805 1920,2020 1920,1500
QGND on Layer 4 - Bottom Layer "Layer 4 - Bottom Layer - QGND" (solid, remove dead copper, pour order 20): 4925,2195 4470,2195 4470,3265 3930,3265 3930,1380 3600,1380 3600,910 2630,910 2630,20 4930,20 4930,2195

## Keep-outs
Keep-Out Layer:
  text ".Layer_Name" at 577,-858.49 h60